# KiCad board rp2040.kicad_pcb (continued)
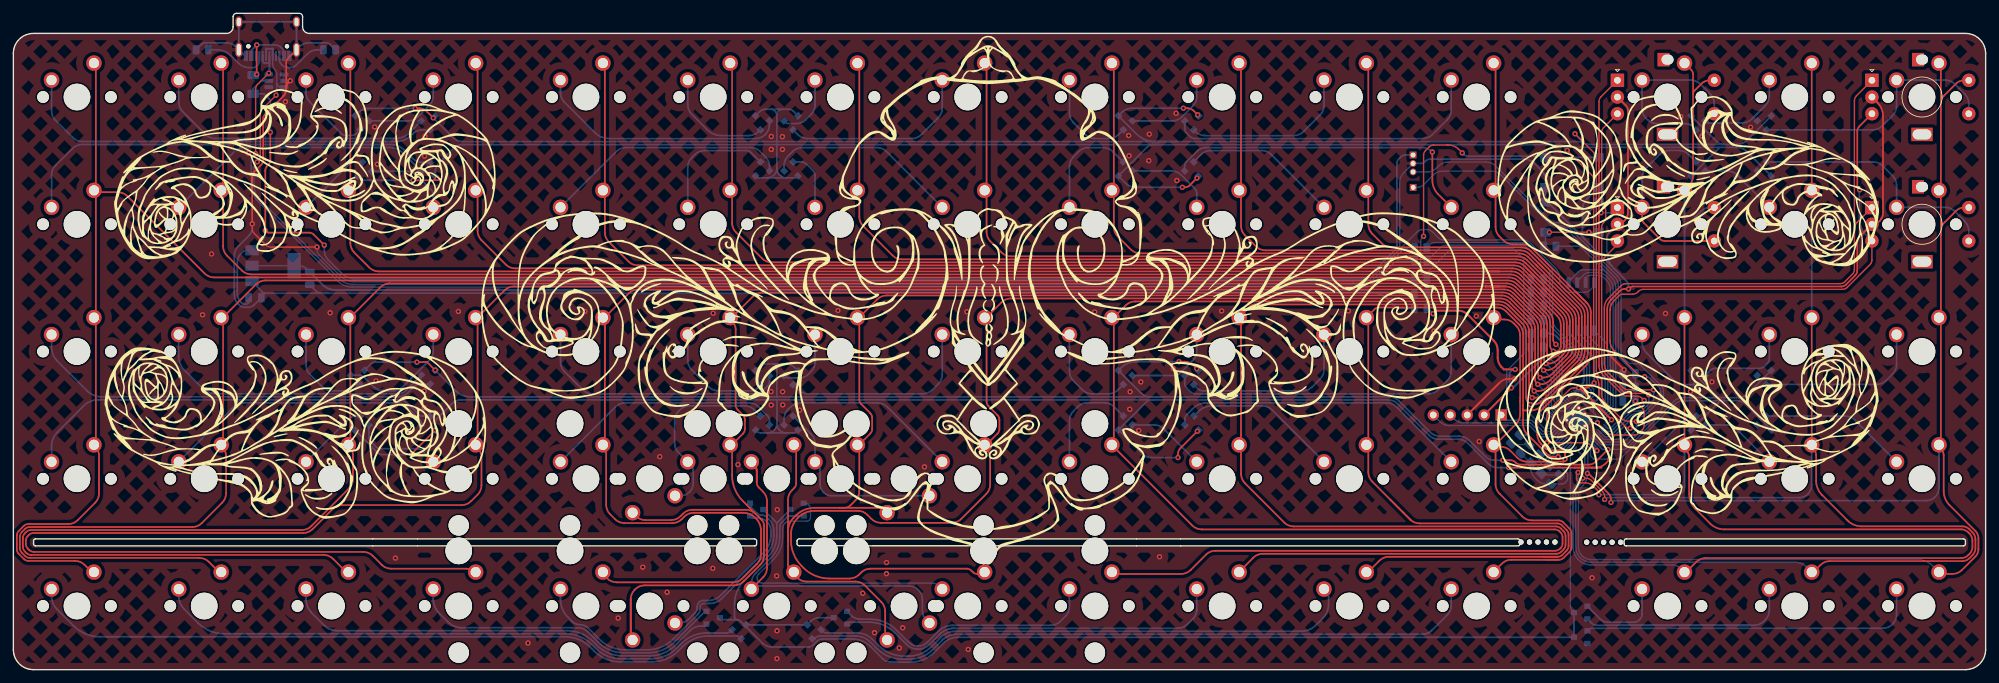
[diagram p0: board, top side]
## Routing (per net, layer and track width the routed paths; a pad name or vN(x,y) marks a point on that pad's centre or on a via; arc(x,y) is an arc through that point) (continued)
COL10: length 231.2
  Top w0.25: 206.14,25.45 203.44,28.16 arc(203,28.81) 202.85,29.57 202.85,32.82 arc(202.81,33.03) 202.69,33.21 arc(202.62,33.38) 202.69,33.54 arc(202.81,33.72) 202.85,33.93 202.85,51.87 arc(202.81,52.08) 202.69,52.26 202.62,52.33 arc(202.55,52.44) 202.53,52.56 arc(202.55,52.69) 202.62,52.8 203.76,53.93 arc(204.08,54.15) 204.46,54.22 222.06,54.22 arc(222.82,54.07) 223.47,53.64 225.44,51.67 arc(225.87,51.02) 226.02,50.26 226.02,38.88 ; 206.14,25.45 209.2,22.4 ; 206.14,25.45 209.12,22.48 arc(209.77,22.04) 210.53,21.89 231.14,21.89 arc(231.52,21.81) 231.85,21.6 232.54,20.91 arc(232.76,20.58) 232.83,20.2 232.83,18.53 arc(232.76,18.14) 232.54,17.82 231.91,17.19 arc(231.59,16.98) 231.21,16.9 228.9,16.9 ; 202.53,90.53 202.69,90.36 arc(202.81,90.18) 202.85,89.97 202.85,72.03 arc(202.81,71.82) 202.69,71.64 arc(202.62,71.48) 202.69,71.31 arc(202.81,71.13) 202.85,70.92 202.85,66.67 arc(203,65.91) 203.44,65.26 204.89,63.8 arc(205.54,63.37) 206.31,63.21 225.78,63.21 arc(226.55,63.06) 227.2,62.63 235.13,54.7 arc(235.56,54.05) 235.72,53.28 235.72,47.56 arc(235.51,46.51) 234.92,45.63 228.68,39.4 arc(228.03,38.96) 227.27,38.81 226.09,38.81 arc(226.07,38.82) 226.04,38.83 ; v1(231.28,31.87) 230.43,31.87 arc(230.05,31.95) 229.72,32.16 226.61,35.28 arc(226.17,35.93) 226.02,36.69 226.02,38.82 ; 226.02,38.82 226.02,38.88 ; 226.02,38.82 arc(226.03,38.83) 226.04,38.83 ; 231.19,16.9 205.93,16.9 arc(205.16,16.75) 204.52,16.32 202.62,14.42 arc(202.56,14.41) 202.53,14.46 202.53,14.6 ; 226.02,38.88 arc(226.03,38.85) 226.04,38.83
  Bottom w0.2: 231.28,32.17 231.28,32.04 ; 231.28,32.17 v1(231.28,31.87) ; 231.28,32.17 arc(231.3,32.29) 231.37,32.39 ; 231.28,32.17 arc(231.3,32.29) 231.37,32.39 ; 231.37,32.39 232.91,33.94 arc(232.91,33.94) U3.18
COL11: length 154.4
  Top w0.25: 221.74,33.54 224.99,36.79 arc(225.42,37.44) 225.57,38.2 225.57,50.07 arc(225.42,50.84) 224.99,51.49 224.64,51.84 arc(223.99,52.27) 223.22,52.43 221.8,52.43 arc(221.72,52.37) 221.74,52.26 221.9,52.1 ; 221.74,33.54 arc(221.72,33.43) 221.8,33.38 ; 221.74,33.54 arc(221.67,33.38) 221.74,33.21 ; 221.8,33.38 222.69,33.38 arc(223.45,33.22) 224.1,32.79 225.16,31.73 arc(225.81,31.3) 226.57,31.14 232.04,31.14 arc(232.14,31.16) 232.23,31.22 arc(232.28,31.31) 232.31,31.41 v1(232.31,31.52) 232.31,32.29 arc(232.27,32.48) 232.16,32.65 232.11,32.69 arc(231.95,32.8) 231.76,32.84 230.09,32.84 arc(229.71,32.92) 229.39,33.13 228.74,33.78 arc(228.31,34.43) 228.16,35.19 228.16,37.4 arc(228.31,38.17) 228.74,38.82 235.37,45.45 arc(235.96,46.33) 236.16,47.37 236.16,53.47 arc(236.01,54.24) 235.58,54.89 233.98,56.48 arc(233.98,56.48) 233.98,56.48 ; 221.8,33.38 arc(221.72,33.32) 221.74,33.21 ; 233.98,56.48 233.98,56.48 ; 233.98,56.48 235.67,54.79 ; 233.98,56.48 arc(233.98,56.48) 233.98,56.48 ; 233.98,56.48 227.38,63.08 arc(226.73,63.51) 225.97,63.66 224.51,63.66 arc(223.74,63.82) 223.09,64.25 222.49,64.86 arc(222.05,65.51) 221.9,66.27 221.9,70.92 arc(221.86,71.13) 221.74,71.31 arc(221.67,71.48) 221.74,71.64 arc(221.86,71.82) 221.9,72.03 221.9,89.97 arc(221.86,90.18) 221.74,90.36 221.58,90.53 ; 221.58,14.33 221.58,14.46 arc(221.6,14.59) 221.67,14.7 222.84,15.87 arc(223.49,16.3) 224.25,16.45 231.39,16.45 arc(231.78,16.53) 232.1,16.74 232.99,17.63 arc(233.21,17.96) 233.28,18.34 233.28,20.38 arc(233.21,20.77) 232.99,21.09 232.04,22.05 arc(231.71,22.26) 231.33,22.34 227.33,22.34 arc(226.57,22.49) 225.92,22.93 222.49,26.36 arc(222.05,27.01) 221.9,27.77 221.9,32.82 arc(221.86,33.03) 221.74,33.21 ; 229.33,16.45 231.38,16.45
  Bottom w0.2: U3.17 232.6,33.06 arc(232.38,32.73) 232.31,32.35 v1(232.31,31.52) 232.31,32.76 U3.17 ; U3.17 232.84,33.3
COL12: length 228.2
  Top w0.2: v1(234.26,29.52) 234.02,29.28 234.02,28.63 arc(234.07,28.37) 234.21,28.16 arc(234.43,28.01) 234.68,27.96 235.36,27.96 arc(236,27.83) 236.54,27.47 237.2,26.81 arc(237.32,26.63) 237.37,26.41 v1(237.37,26.18)
  Top w0.25: SW50.2 250.83,72.4 arc(251.31,73.11) 251.47,73.95 251.47,89.11 arc(251.4,89.49) 251.18,89.81 250.19,90.81 ; 250.15,14.33 251.94,16.11 arc(252.59,16.55) 253.35,16.7 291.61,16.7 arc(292.19,16.81) 292.67,17.14 292.86,17.32 arc(293.18,17.81) 293.3,18.38 293.3,19.31 arc(293.18,19.88) 292.86,20.37 292.66,20.56 arc(292.18,20.89) 291.6,21 256.14,21 arc(254.99,21.23) 254.02,21.88 251.77,24.12 arc(251.12,25.09) 250.9,26.24 250.9,31.82 arc(250.8,32.31) 250.52,32.72 250.25,33 arc(250.18,33.11) 250.15,33.24 arc(250.18,33.36) 250.25,33.47 250.47,33.7 ; 250.15,90.53 250.47,90.2 ; SWrot_2_2.S2 253.94,88.23 arc(253.29,88.1) 252.74,87.73 251.66,86.65 arc(251.52,86.44) 251.47,86.21 ; SW51.2 SW52.2
  Bottom w0.2: 250.19,14.61 249.65,15.14 arc(249.06,15.54) 248.35,15.68 236.2,15.68 arc(235.17,15.89) 234.29,16.47 arc(233.71,17.35) 233.5,18.38 233.5,26.7 arc(233.6,27.19) 233.88,27.61 arc(234.16,28.02) 234.26,28.51 v1(234.26,29.52) 234.26,29.54 234.86,30.14 234.86,32.13 233.89,33.09 U3.15
  Bottom w0.25: 250.19,65.51 SW50.2 ; 250.19,65.51 SW51.2 ; 250.19,65.51 arc(250.3,66.08) 250.63,66.57 252.74,68.68 arc(253.29,69.05) 253.94,69.18 SWrot_2.S2 ; SW52.2 250.19,27.31 arc(250.11,26.89) 249.87,26.53 arc(249.51,26.29) 249.08,26.21 237.41,26.21 arc(237.39,26.2) 237.38,26.19 v1(237.37,26.18)
COL13: length 214.9
  Top w0.2: v1(238.24,25.48) 238.24,25.91 arc(238.16,26.31) 237.93,26.65 236.26,28.32 arc(235.88,28.57) 235.44,28.66 v1(234.96,28.66)
  Top w0.25: 269.24,90.81 SW54.2 ; 269.52,90.2 269.2,90.53 ; SW55.2 SW56.2 ; 269.2,14.33 270.54,15.66 arc(271.19,16.1) 271.95,16.25 291.8,16.25 arc(292.37,16.36) 292.86,16.69 293.31,17.14 arc(293.63,17.62) 293.75,18.2 293.75,19.49 arc(293.63,20.07) 293.31,20.55 292.85,21.01 arc(292.36,21.34) 291.79,21.45 276.72,21.45 arc(275.57,21.68) 274.6,22.33 270.77,26.16 arc(270.12,27.13) 269.89,28.28 269.89,32.11 arc(269.8,32.56) 269.55,32.95 269.23,33.27 arc(269.21,33.3) 269.2,33.34 arc(269.21,33.37) 269.23,33.4 269.52,33.7
  Bottom w0.2: U3.14 235.26,32.78 235.26,29.97 234.96,29.67 v1(234.96,28.66) 234.96,28.39 arc(234.9,28.14) 234.76,27.92 234.21,27.37 arc(233.98,27.03) 233.9,26.63 233.9,18.38 arc(234.08,17.5) 234.58,16.75 arc(235.32,16.26) 236.2,16.08 266.72,16.08 arc(267.69,15.89) 268.5,15.34 269.24,14.61
  Bottom w0.25: SW56.2 269.24,27.65 arc(269.1,26.92) 268.69,26.31 arc(268.07,25.9) 267.35,25.76 238.7,25.76 arc(238.52,25.72) 238.37,25.62 v1(238.24,25.48) ; SW54.2 SW55.2
COL14: length 228.9
  Top w0.2: v1(235.66,29.38) 235.76,29.38
  Top w0.25: v1(235.66,29.38) 235.73,29.38 arc(235.79,29.37) 235.85,29.33 238.84,26.34 arc(239.09,25.96) 239.18,25.52 v1(239.18,25.03) ; SWrot_1_1.S2 292.04,69.18 arc(291.39,69.05) 290.84,68.68 288.9,66.74 arc(288.66,66.38) 288.57,65.96 ; 288.57,65.96 288.57,65.04 ; 288.57,65.96 288.57,65.04 ; 288.57,65.96 288.57,84.91 ; 288.57,65.04 288.57,33.93 arc(288.53,33.72) 288.41,33.54 288.26,33.39 arc(288.25,33.37) 288.25,33.36 arc(288.25,33.35) 288.26,33.33 288.62,32.97 arc(288.9,32.56) 289,32.07 289,26.74 arc(289.22,25.59) 289.87,24.62 293.76,20.74 arc(294.08,20.25) 294.19,19.68 294.19,18.01 arc(294.08,17.44) 293.76,16.95 291.72,14.91 arc(291.07,14.48) 290.3,14.33 288.25,14.33 ; 288.57,84.91 288.57,89.97 arc(288.53,90.18) 288.41,90.36 288.25,90.53 ; 288.57,84.91 arc(288.68,85.42) 288.96,85.85 290.84,87.73 arc(291.39,88.1) 292.04,88.23 SWrot_1.S2
  Bottom w0.2: 288.29,14.61 287.35,15.54 arc(286.31,16.24) 285.09,16.48 236.2,16.48 arc(235.48,16.62) 234.86,17.04 arc(234.45,17.65) 234.3,18.38 234.3,25.94 arc(234.48,26.83) 234.98,27.57 arc(235.48,28.32) 235.66,29.21 v1(235.66,29.38) 235.73,29.45 235.73,32.88 U3.13
  Bottom w0.25: 288.29,33.66 288.29,27.22 arc(288.14,26.49) 287.73,25.87 arc(287.11,25.45) 286.38,25.31 239.65,25.31 arc(239.47,25.27) 239.32,25.17 v1(239.18,25.03)
LED_GLOW: length 74.1
  Bottom w0.2: U3.8 237.76,33.67 241.13,33.67 arc(241.52,33.75) 241.84,33.97 246.45,38.57 arc(246.88,39.22) 247.03,39.99 247.03,41.74 arc(246.96,42.12) 246.74,42.45 243.66,45.53 arc(243.34,45.74) 242.96,45.82 242.31,45.82 arc(241.93,45.9) 241.61,46.11 240.98,46.74 arc(240.77,47.06) 240.69,47.44 240.69,57.56 arc(240.54,58.33) 240.11,58.98 232.76,66.32 arc(232.11,66.76) 231.35,66.91 230.82,66.91 arc(230.44,66.99) 230.11,67.2 221.91,75.41 arc(221.26,75.84) 220.49,75.99 214.78,75.99 arc(214.01,75.84) 213.36,75.41 213.05,75.1 arc(212.4,74.66) 211.64,74.51 J2.3
rot_1_1row: length 38.7
  Bottom w0.25: D37.2 278.45,76 arc(279.21,75.85) 279.86,75.41 281.35,73.92 arc(281.79,73.27) 281.94,72.51 SW58.1 289.23,69.22 arc(289.99,69.06) 290.64,68.63 292.16,67.11 arc(292.6,66.46) 292.75,65.69 SWrot_1_1.S1
rot_1_l: length 106.3
  Top w0.2: 275.63,66 275.63,64.89 ; 275.63,66 275.63,85.19 arc(275.71,85.57) 275.92,85.9 SWrot_1.A ; 275.63,66 275.63,64.89 ; 275.63,66 arc(275.73,66.51) 276.02,66.95 SWrot_1_1.A ; 275.63,64.89 275.63,59.92 arc(275.55,59.54) 275.34,59.21 274.2,58.08 arc(273.88,57.86) 273.49,57.78 241.4,57.78 arc(241.02,57.71) 240.7,57.49 238.77,55.57 arc(238.34,54.92) 238.19,54.15 238.19,45.85 arc(238.34,45.08) 238.77,44.44 241.02,42.19 arc(241.34,41.98) 241.72,41.9 v1(245.55,41.9)
  Bottom w0.2: 245.55,40.69 245.55,41.41 ; 245.55,40.69 245.55,41.41 ; 245.55,40.69 245.55,40.33 arc(245.48,39.95) 245.26,39.63 244.24,38.6 arc(243.91,38.39) 243.53,38.31 242.86,38.31 arc(242.48,38.23) 242.15,38.02 239.41,35.27 238.42,35.27 U3.4 238.1,35.6 ; 245.55,41.41 245.55,41.82 ; 245.55,41.41 v1(245.55,41.9) 245.55,42.1 arc(245.55,42.11) 245.55,42.12 245.54,42.12
rot_1_r: length 97.5
  Top w0.2: v1(244.22,43.84) 243.91,43.84 arc(243.61,43.9) 243.36,44.07 239.62,47.8 arc(239.19,48.45) 239.04,49.22 239.04,53.8 arc(239.19,54.57) 239.62,55.22 240.33,55.93 arc(240.66,56.14) 241.04,56.22 242.47,56.22 arc(242.85,56.3) 243.18,56.51 243.3,56.64 arc(243.63,56.85) 244.01,56.93 273.84,56.93 arc(274.22,57.01) 274.55,57.22 277.96,60.63 arc(278.17,60.96) 278.25,61.34 SWrot_1_1.B
  Top w0.25: v1(276.41,71.82) 276.23,72 arc(276.1,72.2) 276.05,72.43 276.05,80.62 arc(276.13,81) 276.35,81.32 SWrot_1.B
  Bottom w0.2: 244.4,38.2 246.05,39.85 arc(246.48,40.5) 246.64,41.26 246.64,41.58 arc(246.56,41.96) 246.34,42.28 244.98,43.64 arc(244.76,43.79) 244.51,43.84 v1(244.22,43.84) ; 244.4,38.2 245.96,39.76 ; 244.4,38.2 arc(244.08,37.99) 243.7,37.91 243.03,37.91 arc(242.64,37.84) 242.32,37.62 239.57,34.87 238.26,34.87 U3.5 237.74,35.39 ; v1(276.41,71.82) 276.39,71.79 arc(276.37,71.77) 276.37,71.74 276.37,67.39 arc(276.61,66.16) 277.31,65.12 SWrot_1_1.B
rot_1_row: length 39.3
  Bottom w0.25: SWrot_1.S1 292.75,84.74 arc(292.6,85.51) 292.16,86.16 290.64,87.68 arc(289.99,88.11) 289.23,88.27 281.94,88.27 281.94,84.37 arc(281.79,83.61) 281.35,82.96 279.79,81.4 arc(279.14,80.96) 278.38,80.81 D36.1 ; 281.95,88.28 281.97,88.28
rot_2_2row: length 28.6
  Bottom w0.25: SWrot_2_2.S1 254.65,84.74 arc(254.5,85.51) 254.06,86.16 252.54,87.68 arc(251.89,88.11) 251.13,88.27 243.84,88.27 243.84,83.97 arc(243.99,83.21) 244.43,82.56 244.66,82.33 arc(245.31,81.89) 246.07,81.74 250.33,81.74 arc(250.94,81.62) 251.46,81.28 D31.2 ; 243.85,88.28 243.85,87.7
rot_2_l: length 64.9
  Top w0.2: v1(237.69,68.41) 237.54,68.25 arc(237.43,68.09) 237.39,67.89 ; v1(244.16,40.31) 243.83,40.64 arc(243.47,40.88) 243.05,40.96 241.53,40.96 arc(241.15,41.04) 240.83,41.25 237.97,44.1 arc(237.54,44.75) 237.39,45.52 237.39,85.05 arc(237.46,85.43) 237.68,85.76 SWrot_2_2.A
  Bottom w0.2: v1(244.16,40.31) 244.16,39.86 arc(244.12,39.67) 244.01,39.5 243.91,39.4 arc(243.58,39.19) 243.2,39.11 242.53,39.11 arc(242.15,39.03) 241.82,38.82 239.11,36.11 238.72,36.11 ; v1(237.69,68.41) 238.72,68.41 arc(238.72,68.4) 238.72,68.4 arc(238.73,68.4) 238.73,68.4 239.05,68.4 arc(239.35,68.46) 239.6,68.63 SWrot_2.A ; 238.72,36.11 U3.2 arc(238.34,36.48) 238.34,36.48 238.72,36.11
rot_2_r: length 61.9
  Top w0.2: 237.85,61.36 239.97,63.47 arc(240.1,63.68) 240.15,63.92 SWrot_2.B ; 237.85,61.36 237.81,61.31 ; 237.85,61.36 arc(237.83,61.35) 237.81,61.36 ; SWrot_2_2.B 238.08,81.16 arc(237.86,80.83) 237.79,80.45 237.79,70.08 arc(237.86,69.7) 238.08,69.37 238.1,69.36 arc(238.31,69.03) 238.39,68.65 238.39,67.66 arc(238.31,67.27) 238.1,66.95 238.08,66.93 arc(237.86,66.61) 237.79,66.23 237.79,61.41 arc(237.79,61.38) 237.81,61.36 ; v1(244.85,41.15) 244.75,41.25 arc(244.63,41.33) 244.5,41.36 241.7,41.36 arc(241.32,41.44) 240.99,41.65 238.37,44.27 arc(237.94,44.92) 237.79,45.68 237.79,61.26 arc(237.79,61.29) 237.81,61.31 ; 237.81,61.31 arc(237.82,61.34) 237.81,61.36
  Bottom w0.2: U3.3 238.59,35.67 239.24,35.67 241.99,38.42 arc(242.31,38.63) 242.69,38.71 243.37,38.71 arc(243.75,38.79) 244.07,39 244.56,39.49 arc(244.78,39.82) 244.85,40.2 v1(244.85,41.15)
rot_2_row: length 29.2
  Top w0.25: SWrot_2.S1 247.21,64.18 arc(246.83,64.25) 246.51,64.47 244.13,66.84 arc(243.92,67.17) 243.84,67.55 SW50.1
  Bottom w0.25: D32.1 250.79,77.14 arc(250.14,77.57) 249.37,77.73 247.9,77.73 arc(247.13,77.57) 246.48,77.14 244.43,75.09 arc(243.99,74.44) 243.84,73.67 SW50.1
ROW0: length 319.7
  Top w0.2: v1(233.8,80.23) 236.7,77.32 arc(236.91,77) 236.99,76.62 236.99,44.77 arc(237.06,44.38) 237.28,44.06 237.6,43.74 arc(237.72,43.56) 237.76,43.35 237.76,41.36 arc(237.92,40.6) 238.35,39.95 240.5,37.8 arc(241.22,37.32) 242.07,37.15 v1(243,37.15)
  Top w0.25: v1(62.87,82.6) 61.9,83.57 arc(61.4,83.91) 60.81,84.03 v1(60.17,84.03) ; v1(175.18,84.05) 175.75,84.05 arc(176.27,83.95) 176.72,83.65 v1(177.31,83.06)
  Bottom w0.2: U3.7 237.93,34.07 240.69,34.07 arc(241.08,34.15) 241.4,34.37 242.7,35.67 arc(242.92,35.99) 243,36.37 v1(243,37.15)
  Bottom w0.25: D11.3 111.8,83.6 arc(112.12,83.81) 112.51,83.89 113.4,83.89 ; D31.3 255.03,79.04 arc(255.49,78.73) 256.04,78.63 ; 174.12,79.06 171.33,79.06 ; 174.12,79.06 170.9,79.06 ; 174.12,79.06 234.65,79.06 arc(234.94,79) 235.18,78.84 ; 171.33,79.06 114.35,79.06 ; 171.33,79.06 arc(171.11,79.06) 170.9,79.06 ; v1(62.87,82.6) 65.82,79.65 arc(66.47,79.21) 67.24,79.06 114.3,79.06 ; D6.3 51.69,83.44 arc(52.34,83.87) 53.11,84.03 v1(60.17,84.03) ; 113.4,83.89 115.18,83.89 ; 113.4,83.89 arc(114.03,83.63) 114.3,83 ; 114.35,79.06 114.3,79.06 ; 114.35,79.06 arc(114.33,79.06) 114.31,79.08 ; 115.18,83.89 116.08,83.89 arc(116.46,83.81) 116.78,83.6 D16.3 ; 115.18,83.89 arc(114.56,83.63) 114.3,83 ; v1(233.8,80.23) 234.94,79.06 ; v1(233.8,80.23) 233.77,80.23 ; v1(233.8,80.23) 235.18,78.84 ; 170.9,79.06 arc(169.41,79.36) 168.15,80.2 165.72,82.63 arc(165.6,82.91) 165.72,83.19 165.99,83.46 arc(166.64,83.9) 167.41,84.05 v1(175.18,84.05) ; 235.18,78.84 arc(235.42,78.68) 235.7,78.63 ; 235.18,78.84 arc(235.42,78.68) 235.7,78.63 ; 114.3,83 114.3,79.11 arc(114.3,79.09) 114.31,79.08 ; 114.3,79.06 arc(114.31,79.07) 114.31,79.08 ; D36.3 259.49,79.21 arc(258.84,78.78) 258.07,78.63 235.7,78.63
ROW1: length 310.6
  Top w0.2: 242.1,36.14 v1(242.07,36.14) 241.83,36.14 arc(241.61,36.18) 241.43,36.31 237.95,39.78 arc(237.52,40.43) 237.36,41.2 237.36,42.73 arc(237.24,43.36) 236.88,43.89 arc(236.67,44.22) 236.59,44.6 236.59,73.34 arc(236.51,73.72) 236.3,74.05 232.95,77.4
  Top w0.25: v1(177.21,73.6) 176.1,72.49 arc(175.78,72.28) 175.42,72.21 v1(175.02,72.21) ; v1(59.85,73.26) 62.95,73.26 arc(63.14,73.3) 63.3,73.41 v1(63.44,73.55)
  Bottom w0.2: v1(242.07,36.14) 240.69,34.76 arc(240.37,34.55) 239.98,34.47 238.09,34.47 U3.6
  Bottom w0.25: 114.31,78.61 114.34,78.61 ; 114.31,78.61 67.3,78.61 arc(66.54,78.46) 65.89,78.02 63.74,75.87 arc(63.3,75.22) 63.15,74.46 63.15,74.05 63.15,74.23 ; 114.31,78.61 arc(114.32,78.61) 114.31,78.6 ; 114.34,78.61 170.56,78.61 ; 114.34,78.61 arc(114.33,78.61) 114.31,78.6 ; 170.56,78.61 171.46,78.61 ; 170.56,78.61 171.46,78.61 ; 170.56,78.61 arc(170.15,78.53) 169.8,78.29 D22.3 166.53,72.8 arc(167.18,72.36) 167.95,72.21 v1(175.02,72.21) ; 231.97,78.39 v1(232.62,77.73) ; 231.97,78.39 arc(231.97,78.39) 231.98,78.39 ; 231.97,78.39 arc(231.74,78.55) 231.45,78.61 ; 112.86,73.63 111.6,73.63 arc(111.42,73.67) 111.26,73.77 D12.3 ; 112.86,73.63 115.75,73.63 ; 112.86,73.63 arc(113.88,74.05) 114.31,75.07 ; 115.75,73.63 116.99,73.63 arc(117.17,73.67) 117.33,73.77 D17.3 ; 115.75,73.63 arc(114.73,74.05) 114.31,75.07 ; 171.46,78.61 231.45,78.61 ; 114.31,75.07 114.31,78.58 arc(114.31,78.59) 114.31,78.6 ; 231.45,78.61 arc(231.74,78.55) 231.98,78.39 ; D7.3 51.84,73.56 arc(52.18,73.34) 52.58,73.26 v1(59.85,73.26) ; D37.3 259.48,77.59 arc(258.84,78.02) 258.07,78.18 232.5,78.18 arc(232.22,78.23) 231.98,78.39 ; 255.37,78.09 D32.3
ROW2: length 266.6
  Top w0.25: v1(238.74,32.96) 236.88,31.11 arc(236.42,30.8) 235.88,30.69 225.64,30.69 arc(225.26,30.77) 224.93,30.99 224.87,31.05 arc(224.54,31.27) 224.16,31.35 v1(223,31.35) ; v1(63.16,44.83) 61.96,46.03 v1(60.41,46.03) ; v1(174.52,46.1) 175.38,46.1 arc(176.07,45.96) 176.65,45.58 v1(177.18,45.05) ; 61.74,46.03 61.46,46.03
  Bottom w0.2: 237.07,33.8 237.91,32.96 v1(238.74,32.96) ; 237.07,33.8 U3.9 ; 237.07,33.8 237.14,33.73 ; 249.92,40.73 250.8,40.73 ; 238.92,32.97 241,32.97 arc(241.38,33.05) 241.7,33.26 242.61,34.17 248.58,40.14 arc(249.23,40.58) 250,40.73
  Bottom w0.25: 251.73,40.73 250.29,40.73 ; 251.73,40.73 258.28,40.73 arc(259.04,40.88) 259.69,41.32 260.62,42.24 ; 251.73,40.73 251.14,40.73 ; 170.23,40.84 171.93,40.84 ; 170.23,40.84 114.3,40.84 ; 170.23,40.84 171.93,40.84 ; 170.23,40.84 arc(169.44,41) 168.77,41.44 165.66,44.56 arc(165.57,44.78) 165.66,44.99 165.87,45.21 arc(166.85,45.86) 167.99,46.09 174.5,46.09 arc(174.5,46.09) 174.51,46.1 v1(174.52,46.1) ; 171.93,40.84 206,40.84 arc(206.77,40.69) 207.42,40.25 212.14,35.53 arc(212.79,35.1) 213.56,34.94 216.51,34.94 arc(217.27,34.79) 217.92,34.36 220.35,31.93 arc(221,31.5) 221.76,31.35 v1(223,31.35) ; 113.66,45.79 114.95,45.79 ; 113.66,45.79 113,45.79 arc(112.23,45.64) 111.58,45.2 D13.3 ; 113.66,45.79 arc(114.12,45.6) 114.3,45.15 ; 114.95,45.79 115.59,45.79 arc(116.36,45.64) 117.01,45.2 D18.3 ; 114.95,45.79 arc(114.49,45.6) 114.3,45.15 ; 114.3,40.84 114.27,40.84 ; 114.3,40.84 arc(114.29,40.84) 114.3,40.85 ; 114.3,45.15 114.3,40.87 arc(114.3,40.86) 114.3,40.85 ; 114.27,40.84 68.39,40.84 arc(67.24,41.07) 66.27,41.72 v1(63.16,44.83) ; 114.27,40.84 arc(114.28,40.84) 114.3,40.85 ; 255.16,40.79 D33.3 ; 260.35,41.97 260.62,42.24 ; 260.62,42.24 D38.3 ; D8.3 53.49,45.75 arc(53.82,45.96) 54.2,46.04 60.4,46.04 arc(60.4,46.04) 60.41,46.04 v1(60.41,46.03)
ROW3: length 282.9
  Top w0.25: 233.76,30.25 236.26,30.25 ; 233.76,30.25 236.43,30.25 ; 233.76,30.25 v1(223.88,30.25) ; 236.26,30.25 237.78,30.25 ; 236.26,30.25 arc(236.34,30.25) 236.43,30.25 ; v1(177.26,35.69) 174.72,33.16 arc(174.45,32.75) 174.36,32.27 v1(174.36,31.75) ; 236.43,30.25 236.87,30.25 arc(237.69,30.41) 238.39,30.88 v1(239.03,31.51) ; v1(59.67,32.19) 59.67,32.28 arc(59.69,32.36) 59.74,32.43 v1(63.16,35.85)
  Bottom w0.2: U3.12 236.12,33.04 236.12,32.01 236.62,31.51 v1(239.03,31.51) 240.1,31.51 arc(240.48,31.59) 240.81,31.8 248.7,39.69 arc(249.35,40.13) 250.11,40.28 250.66,40.28 250.31,40.28
  Bottom w0.25: 261.6,37.46 D39.3 ; 261.6,37.46 260.51,38.55 ; 261.6,37.46 259.36,39.69 arc(258.71,40.13) 257.95,40.28 255.57,40.28 D34.3 ; 256.23,40.28 250.31,40.28 ; 115.67,35.45 112.96,35.45 ; 115.67,35.45 116.72,35.45 arc(117.01,35.5) 117.25,35.66 D19.3 ; 115.67,35.45 arc(114.71,35.84) 114.31,36.8 ; 112.96,35.45 111.87,35.45 arc(111.58,35.5) 111.34,35.66 D14.3 ; 112.96,35.45 arc(113.92,35.84) 114.31,36.8 ; 114.3,40.39 67.06,40.39 arc(66.3,40.24) 65.65,39.8 63.45,37.61 arc(63.24,37.29) 63.16,36.9 v1(63.16,35.85) ; 114.3,40.39 114.31,40.39 ; 114.3,40.39 arc(114.3,40.39) 114.31,40.39 ; 170.21,40.39 170.72,40.39 ; 170.21,40.39 114.31,40.39 ; 170.21,40.39 170.72,40.39 ; 170.21,40.39 arc(169.97,40.34) 169.76,40.21 D24.3 168.36,32.96 arc(168.36,32.96) 168.37,32.95 arc(168.37,32.95) 168.37,32.95 168.98,32.34 arc(169.63,31.9) 170.39,31.75 v1(174.36,31.75) ; 170.72,40.39 205.82,40.39 arc(206.58,40.24) 207.23,39.8 211.95,35.08 arc(212.6,34.65) 213.37,34.5 216.32,34.5 arc(217.09,34.34) 217.74,33.91 220.81,30.83 arc(221.46,30.4) 222.23,30.25 v1(223.88,30.25) ; 114.31,36.8 114.31,40.37 arc(114.31,40.38) 114.31,40.39 ; D9.3 54.52,32.48 arc(54.85,32.26) 55.23,32.19 v1(59.67,32.19) ; 114.31,40.39 arc(114.31,40.39) 114.31,40.39
ROW4: length 197.7
  Bottom w0.2: D35.3 233.37,8.82 arc(233.17,9.12) 233.1,9.47 233.1,29.92 233.1,29.92 233.1,33 U3.16
  Bottom w0.25: D35.3 233.65,4.86 arc(233.64,4.85) 233.64,4.85 arc(233.64,4.84) 233.63,4.84 141.37,4.84 arc(140.22,4.61) 139.25,3.96 137.83,2.55 arc(136.26,1.5) 134.41,1.13 131.28,1.13 arc(130.71,1.24) 130.22,1.57 128.33,3.45 arc(127.07,4.3) 125.58,4.59 121.1,4.59 arc(120.7,4.51) 120.36,4.29 120.05,3.98 ; 120.05,3.98 119.76,3.69 arc(119.43,3.47) 119.05,3.4 113.54,3.4 arc(112.78,3.55) 112.13,3.98 108.79,7.32 arc(108.62,7.44) 108.42,7.48 108.37,7.48 ; 120.05,3.98 120.27,4.2 ; D15.3 114.3,21.96 114.3,20.01 arc(113.97,18.37) 113.05,16.99 109.46,13.4 arc(108.36,11.75) 107.97,9.81 107.97,7.88 arc(108,7.72) 108.09,7.59 ; D25.3 120.68,7.78 arc(119.98,7.64) 119.39,7.25 D30.3 D5.3 ; 108.04,7.48 105.77,7.48 ; 108.04,7.48 108.37,7.48 ; 108.04,7.48 arc(108.1,7.52) 108.09,7.59 ; 108.37,7.48 arc(108.22,7.51) 108.09,7.59 ; 114.31,21.95 D20.3
Net-(C3-Pad1): length 4.9
  Bottom w0.2: Y0.1 227.03,33.5 arc(226.99,33.56) 226.98,33.62 arc(226.96,33.67) 226.91,33.69 224.42,33.69 arc(224.34,33.71) 224.27,33.75 R5.2